# EAGLE board working (EAGLE 9.6.2), part 25 of 28 (continued)
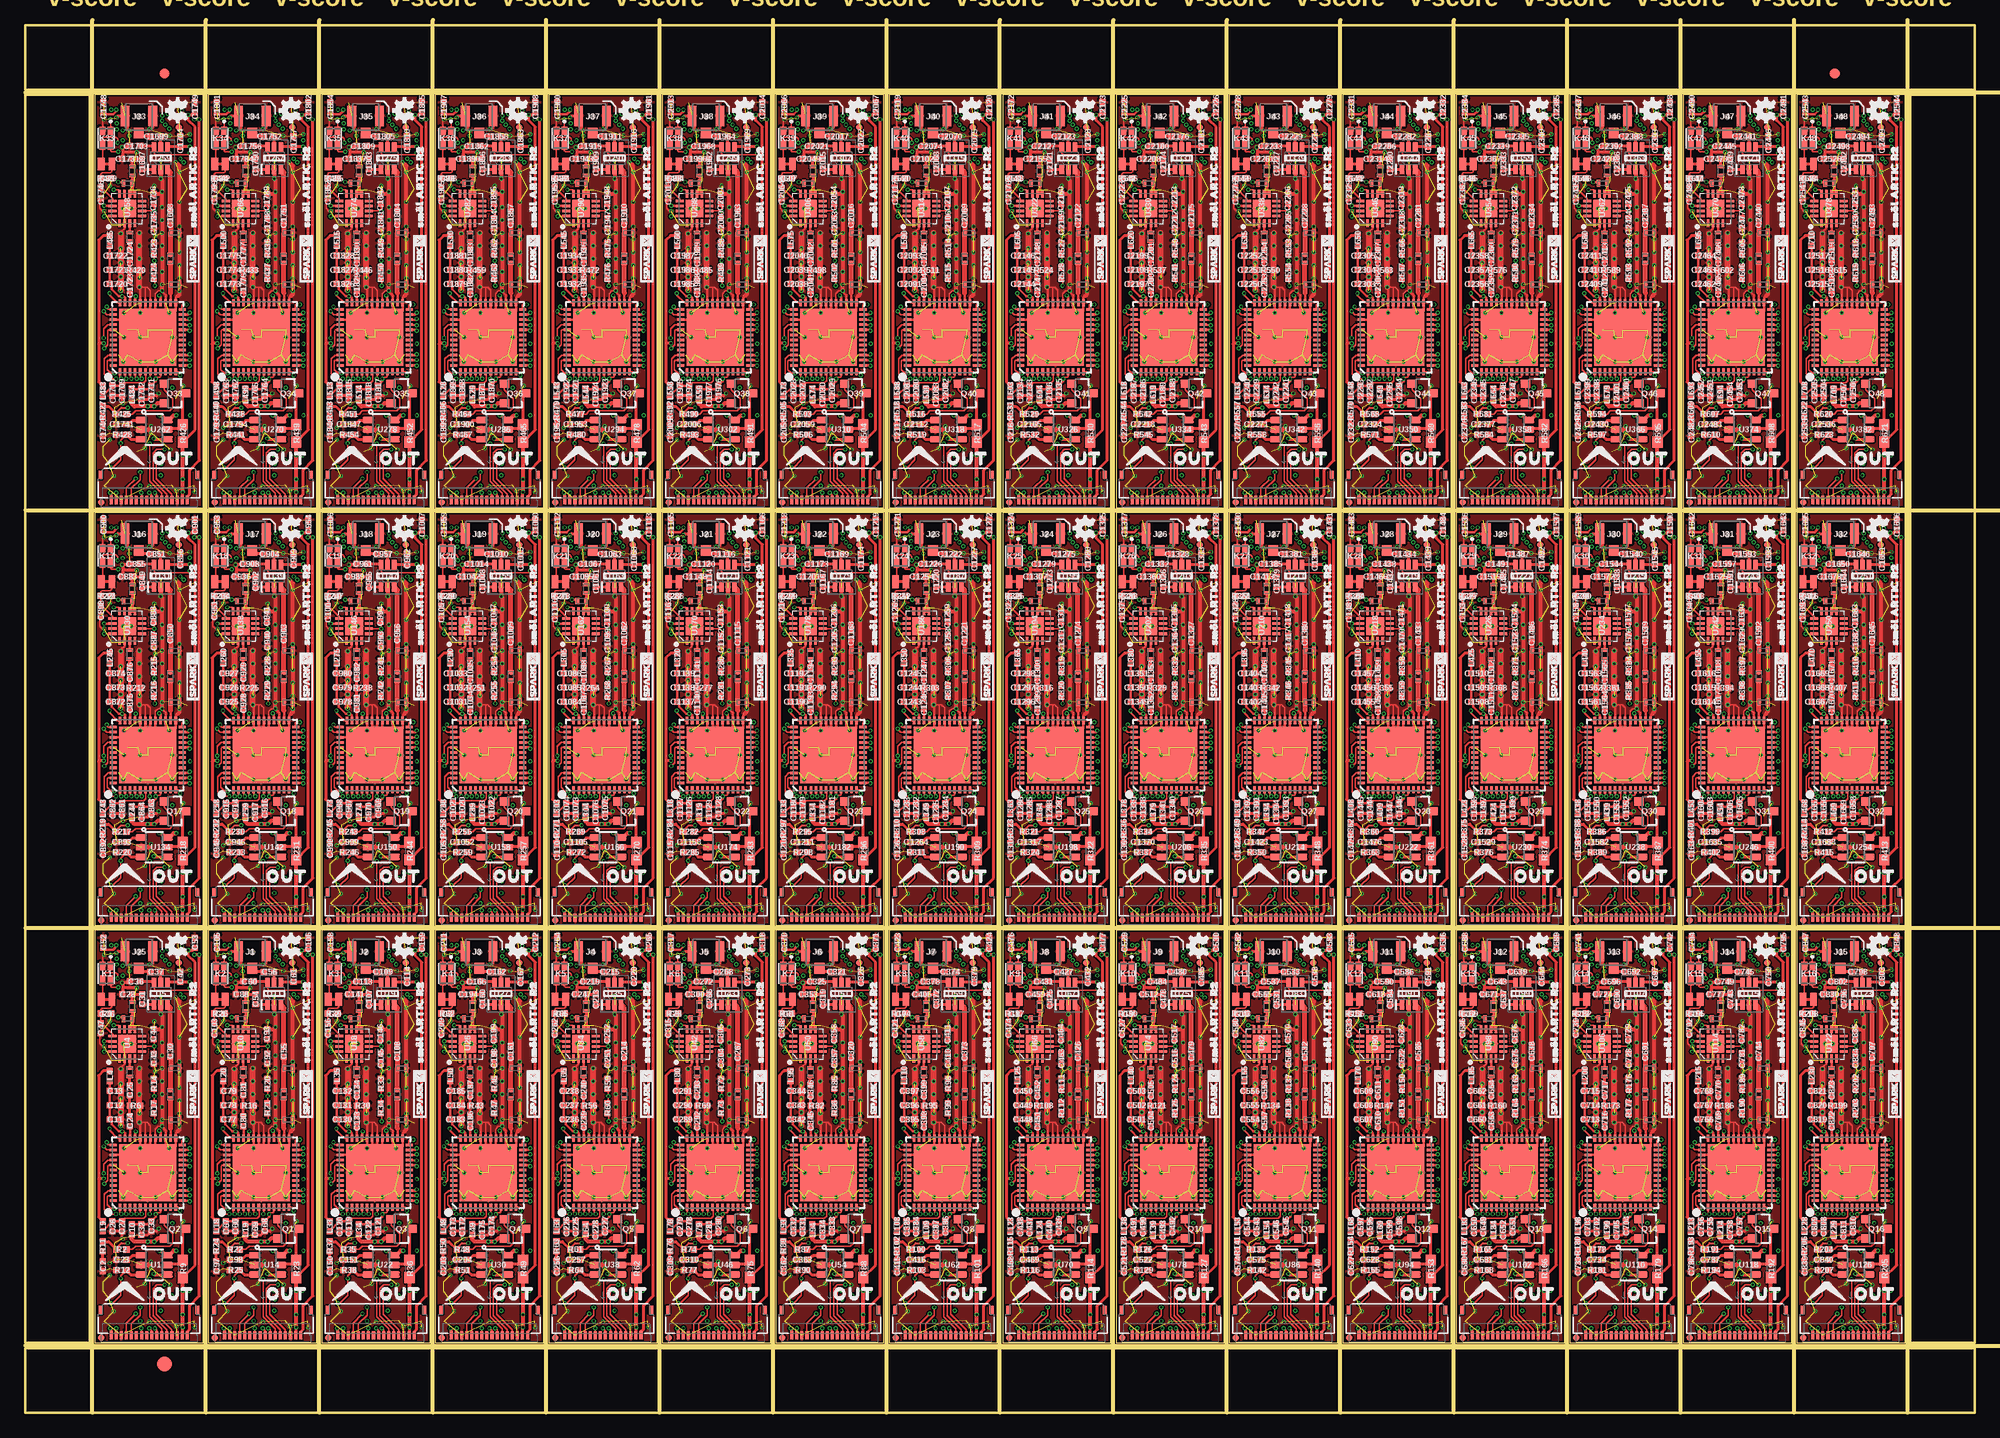
[diagram p0: board, top side]
## Tracks (layer width: path | path; a pad name or v marks a point on that pad's centre or on a via) (continued)
  Bottom 0.152: IN18.13 32.29,86.78 v31.37,85.85 | v33.21,50.86 33.2,50.86 U152.6
SCL19  (via drill 0.2)
  Top 0.152: OUT19.13 43.47,49.95 v44.39,50.86
  Route15 0.127: v42.54,85.85 41.57,85.85 41.12,85.41 41.12,78.43 41.67,77.89 41.67,76.55 41.12,76 41.12,68.82 42.1,67.84 42.1,63.22 41.06,62.18 41.06,51.27 41.59,50.74 44.26,50.74 v44.39,50.86
  Bottom 0.152: IN19.13 43.47,86.78 v42.54,85.85 | v44.39,50.86 44.38,50.86 U160.6
SCL20  (via drill 0.2)
  Top 0.152: OUT20.13 54.65,49.95 v55.56,50.86
  Route15 0.127: v53.72,85.85 52.74,85.85 52.3,85.41 52.3,78.43 52.84,77.89 52.84,76.55 52.3,76 52.3,68.82 53.27,67.84 53.27,63.22 52.23,62.18 52.23,51.27 52.77,50.74 55.44,50.74 v55.56,50.86
  Bottom 0.152: IN20.13 54.65,86.78 v53.72,85.85 | v55.56,50.86 55.55,50.86 U168.6
SCL21  (via drill 0.2)
  Top 0.152: OUT21.13 65.82,49.95 v66.74,50.86
  Route15 0.127: v64.9,85.85 63.92,85.85 63.47,85.41 63.47,78.43 64.02,77.89 64.02,76.55 63.47,76 63.47,68.82 64.45,67.84 64.45,63.22 63.41,62.18 63.41,51.27 63.95,50.74 66.61,50.74 v66.74,50.86
  Bottom 0.152: IN21.13 65.82,86.78 v64.9,85.85 | v66.74,50.86 66.73,50.86 U176.6
SCL22  (via drill 0.2)
  Top 0.152: OUT22.13 77,49.95 v77.91,50.86
  Route15 0.127: v76.07,85.85 75.09,85.85 74.65,85.41 74.65,78.43 75.2,77.89 75.2,76.55 74.65,76 74.65,68.82 75.63,67.84 75.63,63.22 74.59,62.18 74.59,51.27 75.12,50.74 77.79,50.74 v77.91,50.86
  Bottom 0.152: IN22.13 77,86.78 v76.07,85.85 | v77.91,50.86 77.91,50.86 U184.6
SCL23  (via drill 0.2)
  Top 0.152: OUT23.13 88.17,49.95 v89.09,50.86
  Route15 0.127: v87.25,85.85 86.27,85.85 85.83,85.41 85.83,78.43 86.37,77.89 86.37,76.55 85.83,76 85.83,68.82 86.8,67.84 86.8,63.22 85.76,62.18 85.76,51.27 86.3,50.74 88.96,50.74 v89.09,50.86
  Bottom 0.152: IN23.13 88.17,86.78 v87.25,85.85 | v89.09,50.86 89.08,50.86 U192.6
SCL24  (via drill 0.2)
  Top 0.152: OUT24.13 99.35,49.95 v100.27,50.86
  Route15 0.127: v98.42,85.85 97.45,85.85 97,85.41 97,78.43 97.55,77.89 97.55,76.55 97,76 97,68.82 97.98,67.84 97.98,63.22 96.94,62.18 96.94,51.27 97.47,50.74 100.14,50.74 v100.27,50.86
  Bottom 0.152: IN24.13 99.35,86.78 v98.42,85.85 | v100.27,50.86 100.26,50.86 U200.6
SCL25  (via drill 0.2)
  Top 0.152: OUT25.13 110.53,49.95 v111.44,50.86
  Route15 0.127: v109.6,85.85 108.62,85.85 108.18,85.41 108.18,78.43 108.72,77.89 108.72,76.55 108.18,76 108.18,68.82 109.16,67.84 109.16,63.22 108.12,62.18 108.12,51.27 108.65,50.74 111.31,50.74 v111.44,50.86
  Bottom 0.152: IN25.13 110.53,86.78 v109.6,85.85 | v111.44,50.86 111.44,50.86 U208.6
SCL26  (via drill 0.2)
  Top 0.152: OUT26.13 121.7,49.95 v122.62,50.86
  Route15 0.127: v120.78,85.85 119.8,85.85 119.36,85.41 119.36,78.43 119.9,77.89 119.9,76.55 119.36,76 119.36,68.82 120.33,67.84 120.33,63.22 119.29,62.18 119.29,51.27 119.82,50.74 122.49,50.74 v122.62,50.86
  Bottom 0.152: IN26.13 121.7,86.78 v120.78,85.85 | v122.62,50.86 122.61,50.86 U216.6
SCL27  (via drill 0.2)
  Top 0.152: OUT27.13 132.88,49.95 v133.79,50.86
  Route15 0.127: v131.95,85.85 130.97,85.85 130.53,85.41 130.53,78.43 131.07,77.89 131.07,76.55 130.53,76 130.53,68.82 131.51,67.84 131.51,63.22 130.47,62.18 130.47,51.27 131,50.74 133.67,50.74 v133.79,50.86
  Bottom 0.152: IN27.13 132.88,86.78 v131.95,85.85 | v133.79,50.86 133.79,50.86 U224.6
SCL28  (via drill 0.2)
  Top 0.152: OUT28.13 144.05,49.95 v144.97,50.86
  Route15 0.127: v143.13,85.85 142.15,85.85 141.71,85.41 141.71,78.43 142.25,77.89 142.25,76.55 141.71,76 141.71,68.82 142.68,67.84 142.68,63.22 141.64,62.18 141.64,51.27 142.18,50.74 144.84,50.74 v144.97,50.86
  Bottom 0.152: IN28.13 144.05,86.78 v143.13,85.85 | v144.97,50.86 144.96,50.86 U232.6
SCL29  (via drill 0.2)
  Top 0.152: OUT29.13 155.23,49.95 v156.15,50.86
  Route15 0.127: v154.31,85.85 153.33,85.85 152.88,85.41 152.88,78.43 153.43,77.89 153.43,76.55 152.88,76 152.88,68.82 153.86,67.84 153.86,63.22 152.82,62.18 152.82,51.27 153.35,50.74 156.02,50.74 v156.15,50.86
  Bottom 0.152: IN29.13 155.23,86.78 v154.31,85.85 | v156.15,50.86 156.14,50.86 U240.6
SCL30  (via drill 0.2)
  Top 0.152: OUT30.13 166.41,49.95 v167.32,50.86
  Route15 0.127: v165.48,85.85 164.5,85.85 164.06,85.41 164.06,78.43 164.6,77.89 164.6,76.55 164.06,76 164.06,68.82 165.03,67.84 165.03,63.22 164,62.18 164,51.27 164.53,50.74 167.2,50.74 v167.32,50.86
  Bottom 0.152: IN30.13 166.41,86.78 v165.48,85.85 | v167.32,50.86 167.31,50.86 U248.6
SCL31  (via drill 0.2)
  Top 0.152: OUT31.13 177.58,49.95 v178.5,50.86
  Route15 0.127: v176.66,85.85 175.68,85.85 175.24,85.41 175.24,78.43 175.78,77.89 175.78,76.55 175.24,76 175.24,68.82 176.21,67.84 176.21,63.22 175.17,62.18 175.17,51.27 175.7,50.74 178.37,50.74 v178.5,50.86
  Bottom 0.152: IN31.13 177.58,86.78 v176.66,85.85 | v178.5,50.86 178.49,50.86 U256.6
SCL32  (via drill 0.2)
  Top 0.152: OUT32.13 9.94,91.09 v10.86,92.01
  Route15 0.127: v9.02,127 8.04,127 7.59,126.56 7.59,119.58 8.14,119.03 8.14,117.69 7.59,117.15 7.59,109.97 8.57,108.99 8.57,104.37 7.53,103.33 7.53,92.42 8.06,91.88 10.73,91.88 v10.86,92.01
  Bottom 0.152: IN32.13 9.94,127.92 v9.02,127 | v10.86,92.01 v10.85,92 U264.6
SCL33  (via drill 0.2)
  Top 0.152: OUT33.13 21.12,91.09 v22.04,92.01
  Route15 0.127: v20.19,127 19.21,127 18.77,126.56 18.77,119.58 19.32,119.03 19.32,117.69 18.77,117.15 18.77,109.97 19.75,108.99 19.75,104.37 18.71,103.33 18.71,92.42 19.24,91.88 21.91,91.88 v22.04,92.01
  Bottom 0.152: IN33.13 21.12,127.92 v20.19,127 | v22.04,92.01 v22.03,92 U272.6
SCL34  (via drill 0.2)
  Top 0.152: OUT34.13 32.29,91.09 v33.21,92.01
  Route15 0.127: v31.37,127 30.39,127 29.95,126.56 29.95,119.58 30.49,119.03 30.49,117.69 29.95,117.15 29.95,109.97 30.92,108.99 30.92,104.37 29.88,103.33 29.88,92.42 30.42,91.88 33.08,91.88 v33.21,92.01
  Bottom 0.152: IN34.13 32.29,127.92 v31.37,127 | v33.21,92.01 v33.2,92 U280.6
SCL35  (via drill 0.2)
  Top 0.152: OUT35.13 43.47,91.09 v44.39,92.01
  Route15 0.127: v42.54,127 41.57,127 41.12,126.56 41.12,119.58 41.67,119.03 41.67,117.69 41.12,117.15 41.12,109.97 42.1,108.99 42.1,104.37 41.06,103.33 41.06,92.42 41.59,91.88 44.26,91.88 v44.39,92.01
  Bottom 0.152: IN35.13 43.47,127.92 v42.54,127 | v44.39,92.01 v44.38,92 U288.6
SCL36  (via drill 0.2)
  Top 0.152: OUT36.13 54.65,91.09 v55.56,92.01
  Route15 0.127: v53.72,127 52.74,127 52.3,126.56 52.3,119.58 52.84,119.03 52.84,117.69 52.3,117.15 52.3,109.97 53.27,108.99 53.27,104.37 52.23,103.33 52.23,92.42 52.77,91.88 55.44,91.88 v55.56,92.01
  Bottom 0.152: IN36.13 54.65,127.92 v53.72,127 | v55.56,92.01 v55.55,92 U296.6
SCL37  (via drill 0.2)
  Top 0.152: OUT37.13 65.82,91.09 v66.74,92.01
  Route15 0.127: v64.9,127 63.92,127 63.47,126.56 63.47,119.58 64.02,119.03 64.02,117.69 63.47,117.15 63.47,109.97 64.45,108.99 64.45,104.37 63.41,103.33 63.41,92.42 63.95,91.88 66.61,91.88 v66.74,92.01
  Bottom 0.152: IN37.13 65.82,127.92 v64.9,127 | v66.74,92.01 v66.73,92 U304.6
SCL38  (via drill 0.2)
  Top 0.152: OUT38.13 77,91.09 v77.91,92.01
  Route15 0.127: v76.07,127 75.09,127 74.65,126.56 74.65,119.58 75.2,119.03 75.2,117.69 74.65,117.15 74.65,109.97 75.63,108.99 75.63,104.37 74.59,103.33 74.59,92.42 75.12,91.88 77.79,91.88 v77.91,92.01
  Bottom 0.152: IN38.13 77,127.92 v76.07,127 | v77.91,92.01 v77.91,92 U312.6
SCL39  (via drill 0.2)
  Top 0.152: OUT39.13 88.17,91.09 v89.09,92.01
  Route15 0.127: v87.25,127 86.27,127 85.83,126.56 85.83,119.58 86.37,119.03 86.37,117.69 85.83,117.15 85.83,109.97 86.8,108.99 86.8,104.37 85.76,103.33 85.76,92.42 86.3,91.88 88.96,91.88 v89.09,92.01
  Bottom 0.152: IN39.13 88.17,127.92 v87.25,127 | v89.09,92.01 v89.08,92 U320.6
SCL40  (via drill 0.2)
  Top 0.152: OUT40.13 99.35,91.09 v100.27,92.01
  Route15 0.127: v98.42,127 97.45,127 97,126.56 97,119.58 97.55,119.03 97.55,117.69 97,117.15 97,109.97 97.98,108.99 97.98,104.37 96.94,103.33 96.94,92.42 97.47,91.88 100.14,91.88 v100.27,92.01
  Bottom 0.152: IN40.13 99.35,127.92 v98.42,127 | v100.27,92.01 v100.26,92 U328.6
SCL41  (via drill 0.2)
  Top 0.152: OUT41.13 110.53,91.09 v111.44,92.01
  Route15 0.127: v109.6,127 108.62,127 108.18,126.56 108.18,119.58 108.72,119.03 108.72,117.69 108.18,117.15 108.18,109.97 109.16,108.99 109.16,104.37 108.12,103.33 108.12,92.42 108.65,91.88 111.31,91.88 v111.44,92.01
  Bottom 0.152: IN41.13 110.53,127.92 v109.6,127 | v111.44,92.01 v111.44,92 U336.6
SCL42  (via drill 0.2)
  Top 0.152: OUT42.13 121.7,91.09 v122.62,92.01
  Route15 0.127: v120.78,127 119.8,127 119.36,126.56 119.36,119.58 119.9,119.03 119.9,117.69 119.36,117.15 119.36,109.97 120.33,108.99 120.33,104.37 119.29,103.33 119.29,92.42 119.82,91.88 122.49,91.88 v122.62,92.01
  Bottom 0.152: IN42.13 121.7,127.92 v120.78,127 | v122.62,92.01 v122.61,92 U344.6
SCL43  (via drill 0.2)
  Top 0.152: OUT43.13 132.88,91.09 v133.79,92.01
  Route15 0.127: v131.95,127 130.97,127 130.53,126.56 130.53,119.58 131.07,119.03 131.07,117.69 130.53,117.15 130.53,109.97 131.51,108.99 131.51,104.37 130.47,103.33 130.47,92.42 131,91.88 133.67,91.88 v133.79,92.01
  Bottom 0.152: IN43.13 132.88,127.92 v131.95,127 | v133.79,92.01 v133.79,92 U352.6
SCL44  (via drill 0.2)
  Top 0.152: OUT44.13 144.05,91.09 v144.97,92.01
  Route15 0.127: v143.13,127 142.15,127 141.71,126.56 141.71,119.58 142.25,119.03 142.25,117.69 141.71,117.15 141.71,109.97 142.68,108.99 142.68,104.37 141.64,103.33 141.64,92.42 142.18,91.88 144.84,91.88 v144.97,92.01
  Bottom 0.152: IN44.13 144.05,127.92 v143.13,127 | v144.97,92.01 v144.96,92 U360.6
SCL45  (via drill 0.2)
  Top 0.152: OUT45.13 155.23,91.09 v156.15,92.01
  Route15 0.127: v154.31,127 153.33,127 152.88,126.56 152.88,119.58 153.43,119.03 153.43,117.69 152.88,117.15 152.88,109.97 153.86,108.99 153.86,104.37 152.82,103.33 152.82,92.42 153.35,91.88 156.02,91.88 v156.15,92.01
  Bottom 0.152: IN45.13 155.23,127.92 v154.31,127 | v156.15,92.01 v156.14,92 U368.6
SCL46  (via drill 0.2)
  Top 0.152: OUT46.13 166.41,91.09 v167.32,92.01
  Route15 0.127: v165.48,127 164.5,127 164.06,126.56 164.06,119.58 164.6,119.03 164.6,117.69 164.06,117.15 164.06,109.97 165.03,108.99 165.03,104.37 164,103.33 164,92.42 164.53,91.88 167.2,91.88 v167.32,92.01
  Bottom 0.152: IN46.13 166.41,127.92 v165.48,127 | v167.32,92.01 v167.31,92 U376.6
SCL47  (via drill 0.2)
  Top 0.152: OUT47.13 177.58,91.09 v178.5,92.01
  Route15 0.127: v176.66,127 175.68,127 175.24,126.56 175.24,119.58 175.78,119.03 175.78,117.69 175.24,117.15 175.24,109.97 176.21,108.99 176.21,104.37 175.17,103.33 175.17,92.42 175.7,91.88 178.37,91.88 v178.5,92.01
  Bottom 0.152: IN47.13 177.58,127.92 v176.66,127 | v178.5,92.01 v178.49,92 U384.6
SCLK  (via drill 0.2)
  Top 0.152: U3.3 10.34,20.2 10.34,19.67 v10.45,19.56 | OUT.4 14.44,8.16 12.91,9.69 12.91,11.9 13.04,12.02 v13.29,12.02
  Route15 0.127: v14.48,45.97 14.26,46.19 13.02,46.19 11.38,44.55 11.38,36.4 11.38,36.24 10.82,35.69 9.69,35.69 9.52,35.52 9.52,34.61 9.21,34.29 8.97,34.05 8.97,29.47 9.24,29.2 9.4,29.2 10.36,28.23 10.36,20.22 10.45,20.13 v10.45,19.56
  Route15 0.152: v10.45,19.56 10.45,18.69 10.93,18.21 10.93,12.37 11.28,12.02 v13.29,12.02
  Bottom 0.152: IN.4 14.48,46.72 v14.48,45.97
SCLK1  (via drill 0.2)
  Top 0.152: U9.3 21.52,20.2 21.52,19.67 v21.63,19.56 | OUT1.4 25.62,8.16 24.09,9.69 24.09,11.9 24.22,12.02 v24.47,12.02
  Route15 0.127: v25.65,45.97 25.44,46.19 24.19,46.19 22.55,44.55 22.55,36.4 22.55,36.24 22,35.69 20.87,35.69 20.7,35.52 20.7,34.61 20.38,34.29 20.14,34.05 20.14,29.47 20.41,29.2 20.57,29.2 21.54,28.23 21.54,20.22 21.63,20.13 v21.63,19.56
  Route15 0.152: v21.63,19.56 21.63,18.69 22.11,18.21 22.11,12.37 22.46,12.02 v24.47,12.02
  Bottom 0.152: IN1.4 25.65,46.72 v25.65,45.97
SCLK2  (via drill 0.2)
  Top 0.152: U17.3 32.69,20.2 32.69,19.67 v32.8,19.56 | OUT2.4 36.79,8.16 35.27,9.69 35.27,11.9 35.39,12.02 v35.65,12.02
  Route15 0.127: v36.83,45.97 36.61,46.19 35.37,46.19 33.73,44.55 33.73,36.4 33.73,36.24 33.17,35.69 32.05,35.69 31.88,35.52 31.88,34.61 31.56,34.29 31.32,34.05 31.32,29.47 31.59,29.2 31.75,29.2 32.71,28.23 32.71,20.22 32.8,20.13 v32.8,19.56
  Route15 0.152: v32.8,19.56 32.8,18.69 33.28,18.21 33.28,12.37 33.63,12.02 v35.65,12.02
  Bottom 0.152: IN2.4 36.83,46.72 v36.83,45.97
SCLK3  (via drill 0.2)
  Top 0.152: U25.3 43.87,20.2 43.87,19.67 v43.98,19.56 | OUT3.4 47.97,8.16 46.44,9.69 46.44,11.9 46.57,12.02 v46.82,12.02
  Route15 0.127: v48.01,45.97 47.79,46.19 46.55,46.19 44.91,44.55 44.91,36.4 44.91,36.24 44.35,35.69 43.22,35.69 43.05,35.52 43.05,34.61 42.73,34.29 42.49,34.05 42.49,29.47 42.76,29.2 42.93,29.2 43.89,28.23 43.89,20.22 43.98,20.13 v43.98,19.56
  Route15 0.152: v43.98,19.56 43.98,18.69 44.46,18.21 44.46,12.37 44.81,12.02 v46.82,12.02
  Bottom 0.152: IN3.4 48.01,46.72 v48.01,45.97
SCLK4  (via drill 0.2)
  Top 0.152: U33.3 55.04,20.2 55.04,19.67 v55.16,19.56 | OUT4.4 59.15,8.16 57.62,9.69 57.62,11.9 57.74,12.02 v58,12.02
  Route15 0.127: v59.18,45.97 58.97,46.19 57.72,46.19 56.08,44.55 56.08,36.4 56.08,36.24 55.53,35.69 54.4,35.69 54.23,35.52 54.23,34.61 53.91,34.29 53.67,34.05 53.67,29.47 53.94,29.2 54.1,29.2 55.07,28.23 55.07,20.22 55.16,20.13 v55.16,19.56
  Route15 0.152: v55.16,19.56 55.16,18.69 55.64,18.21 55.64,12.37 55.98,12.02 v58,12.02
  Bottom 0.152: IN4.4 59.18,46.72 v59.18,45.97
SCLK5  (via drill 0.2)
  Top 0.152: U41.3 66.22,20.2 66.22,19.67 v66.33,19.56 | OUT5.4 70.32,8.16 68.79,9.69 68.79,11.9 68.92,12.02 v69.17,12.02
  Route15 0.127: v70.36,45.97 70.14,46.19 68.9,46.19 67.26,44.55 67.26,36.4 67.26,36.24 66.7,35.69 65.57,35.69 65.41,35.52 65.41,34.61 65.08,34.29 64.85,34.05 64.85,29.47 65.12,29.2 65.28,29.2 66.24,28.23 66.24,20.22 66.33,20.13 v66.33,19.56
  Route15 0.152: v66.33,19.56 66.33,18.69 66.81,18.21 66.81,12.37 67.16,12.02 v69.17,12.02
  Bottom 0.152: IN5.4 70.36,46.72 v70.36,45.97
SCLK6  (via drill 0.2)
  Top 0.152: U49.3 77.4,20.2 77.4,19.67 v77.51,19.56 | OUT6.4 81.5,8.16 79.97,9.69 79.97,11.9 80.1,12.02 v80.35,12.02
  Route15 0.127: v81.53,45.97 81.32,46.19 80.07,46.19 78.43,44.55 78.43,36.4 78.43,36.24 77.88,35.69 76.75,35.69 76.58,35.52 76.58,34.61 76.26,34.29 76.02,34.05 76.02,29.47 76.29,29.2 76.45,29.2 77.42,28.23 77.42,20.22 77.51,20.13 v77.51,19.56
  Route15 0.152: v77.51,19.56 77.51,18.69 77.99,18.21 77.99,12.37 78.34,12.02 v80.35,12.02
  Bottom 0.152: IN6.4 81.53,46.72 v81.53,45.97
SCLK7  (via drill 0.2)
  Top 0.152: U57.3 88.57,20.2 88.57,19.67 v88.68,19.56 | OUT7.4 92.67,8.16 91.15,9.69 91.15,11.9 91.27,12.02 v91.53,12.02
  Route15 0.127: v92.71,45.97 92.49,46.19 91.25,46.19 89.61,44.55 89.61,36.4 89.61,36.24 89.06,35.69 87.93,35.69 87.76,35.52 87.76,34.61 87.44,34.29 87.2,34.05 87.2,29.47 87.47,29.2 87.63,29.2 88.59,28.23 88.59,20.22 88.68,20.13 v88.68,19.56
  Route15 0.152: v88.68,19.56 88.68,18.69 89.17,18.21 89.17,12.37 89.51,12.02 v91.53,12.02
  Bottom 0.152: IN7.4 92.71,46.72 v92.71,45.97
SCLK8  (via drill 0.2)
  Top 0.152: U65.3 99.75,20.2 99.75,19.67 v99.86,19.56 | OUT8.4 103.85,8.16 102.32,9.69 102.32,11.9 102.45,12.02 v102.7,12.02
  Route15 0.127: v103.89,45.97 103.67,46.19 102.42,46.19 100.79,44.55 100.79,36.4 100.79,36.24 100.23,35.69 99.1,35.69 98.93,35.52 98.93,34.61 98.61,34.29 98.37,34.05 98.37,29.47 98.64,29.2 98.81,29.2 99.77,28.23 99.77,20.22 99.86,20.13 v99.86,19.56
  Route15 0.152: v99.86,19.56 99.86,18.69 100.34,18.21 100.34,12.37 100.69,12.02 v102.7,12.02
  Bottom 0.152: IN8.4 103.89,46.72 v103.89,45.97
SCLK9  (via drill 0.2)
  Top 0.152: U73.3 110.92,20.2 110.92,19.67 v111.04,19.56 | OUT9.4 115.03,8.16 113.5,9.69 113.5,11.9 113.62,12.02 v113.88,12.02
  Route15 0.127: v115.06,45.97 114.85,46.19 113.6,46.19 111.96,44.55 111.96,36.4 111.96,36.24 111.41,35.69 110.28,35.69 110.11,35.52 110.11,34.61 109.79,34.29 109.55,34.05 109.55,29.47 109.82,29.2 109.98,29.2 110.95,28.23 110.95,20.22 111.04,20.13 v111.04,19.56
  Route15 0.152: v111.04,19.56 111.04,18.69 111.52,18.21 111.52,12.37 111.86,12.02 v113.88,12.02
  Bottom 0.152: IN9.4 115.06,46.72 v115.06,45.97
SCLK10  (via drill 0.2)
  Top 0.152: U81.3 122.1,20.2 122.1,19.67 v122.21,19.56 | OUT10.4 126.2,8.16 124.67,9.69 124.67,11.9 124.8,12.02 v125.06,12.02
  Route15 0.127: v126.24,45.97 126.02,46.19 124.78,46.19 123.14,44.55 123.14,36.4 123.14,36.24 122.58,35.69 121.45,35.69 121.29,35.52 121.29,34.61 120.97,34.29 120.73,34.05 120.73,29.47 121,29.2 121.16,29.2 122.12,28.23 122.12,20.22 122.21,20.13 v122.21,19.56
  Route15 0.152: v122.21,19.56 122.21,18.69 122.69,18.21 122.69,12.37 123.04,12.02 v125.06,12.02
  Bottom 0.152: IN10.4 126.24,46.72 v126.24,45.97
SCLK11  (via drill 0.2)
  Top 0.152: U89.3 133.28,20.2 133.28,19.67 v133.39,19.56 | OUT11.4 137.38,8.16 135.85,9.69 135.85,11.9 135.98,12.02 v136.23,12.02
  Route15 0.127: v137.41,45.97 137.2,46.19 135.95,46.19 134.31,44.55 134.31,36.4 134.31,36.24 133.76,35.69 132.63,35.69 132.46,35.52 132.46,34.61 132.14,34.29 131.9,34.05 131.9,29.47 132.17,29.2 132.33,29.2 133.3,28.23 133.3,20.22 133.39,20.13 v133.39,19.56
  Route15 0.152: v133.39,19.56 133.39,18.69 133.87,18.21 133.87,12.37 134.22,12.02 v136.23,12.02
  Bottom 0.152: IN11.4 137.41,46.72 v137.41,45.97
SCLK12  (via drill 0.2)
  Top 0.152: U97.3 144.45,20.2 144.45,19.67 v144.56,19.56 | OUT12.4 148.55,8.16 147.03,9.69 147.03,11.9 147.15,12.02 v147.41,12.02
  Route15 0.127: v148.59,45.97 148.37,46.19 147.13,46.19 145.49,44.55 145.49,36.4 145.49,36.24 144.94,35.69 143.81,35.69 143.64,35.52 143.64,34.61 143.32,34.29 143.08,34.05 143.08,29.47 143.35,29.2 143.51,29.2 144.47,28.23 144.47,20.22 144.56,20.13 v144.56,19.56
  Route15 0.152: v144.56,19.56 144.56,18.69 145.05,18.21 145.05,12.37 145.39,12.02 v147.41,12.02
  Bottom 0.152: IN12.4 148.59,46.72 v148.59,45.97
SCLK13  (via drill 0.2)
  Top 0.152: U105.3 155.63,20.2 155.63,19.67 v155.74,19.56 | OUT13.4 159.73,8.16 158.2,9.69 158.2,11.9 158.33,12.02 v158.58,12.02
  Route15 0.127: v159.77,45.97 159.55,46.19 158.31,46.19 156.67,44.55 156.67,36.4 156.67,36.24 156.11,35.69 154.98,35.69 154.81,35.52 154.81,34.61 154.49,34.29 154.25,34.05 154.25,29.47 154.52,29.2 154.69,29.2 155.65,28.23 155.65,20.22 155.74,20.13 v155.74,19.56
  Route15 0.152: v155.74,19.56 155.74,18.69 156.22,18.21 156.22,12.37 156.57,12.02 v158.58,12.02
  Bottom 0.152: IN13.4 159.77,46.72 v159.77,45.97
SCLK14  (via drill 0.2)
  Top 0.152: U113.3 166.8,20.2 166.8,19.67 v166.92,19.56 | OUT14.4 170.91,8.16 169.38,9.69 169.38,11.9 169.5,12.02 v169.76,12.02
  Route15 0.127: v170.94,45.97 170.73,46.19 169.48,46.19 167.84,44.55 167.84,36.4 167.84,36.24 167.29,35.69 166.16,35.69 165.99,35.52 165.99,34.61 165.67,34.29 165.43,34.05 165.43,29.47 165.7,29.2 165.86,29.2 166.83,28.23 166.83,20.22 166.92,20.13 v166.92,19.56
  Route15 0.152: v166.92,19.56 166.92,18.69 167.4,18.21 167.4,12.37 167.74,12.02 v169.76,12.02
  Bottom 0.152: IN14.4 170.94,46.72 v170.94,45.97
SCLK15  (via drill 0.2)
  Top 0.152: U121.3 177.98,20.2 177.98,19.67 v178.09,19.56 | OUT15.4 182.08,8.16 180.55,9.69 180.55,11.9 180.68,12.02 v180.94,12.02
  Route15 0.127: v182.12,45.97 181.9,46.19 180.66,46.19 179.02,44.55 179.02,36.4 179.02,36.24 178.46,35.69 177.33,35.69 177.16,35.52 177.16,34.61 176.84,34.29 176.61,34.05 176.61,29.47 176.88,29.2 177.04,29.2 178,28.23 178,20.22 178.09,20.13 v178.09,19.56
  Route15 0.152: v178.09,19.56 178.09,18.69 178.57,18.21 178.57,12.37 178.92,12.02 v180.94,12.02
  Bottom 0.152: IN15.4 182.12,46.72 v182.12,45.97
SCLK16  (via drill 0.2)
  Top 0.152: U129.3 10.34,61.34 10.34,60.82 v10.45,60.71 | OUT16.4 14.44,49.31 12.91,50.84 12.91,53.05 13.04,53.17 v13.29,53.17
  Route15 0.127: v14.48,87.12 14.26,87.34 13.02,87.34 11.38,85.7 11.38,77.55 11.38,77.39 10.82,76.84 9.69,76.84 9.52,76.67 9.52,75.76 9.21,75.44 8.97,75.2 8.97,70.62 9.24,70.35 9.4,70.35 10.36,69.38 10.36,61.37 10.45,61.28 v10.45,60.71
  Route15 0.152: v10.45,60.71 10.45,59.84 10.93,59.36 10.93,53.52 11.28,53.17 v13.29,53.17
  Bottom 0.152: IN16.4 14.48,87.87 v14.48,87.12
SCLK17  (via drill 0.2)
  Top 0.152: U137.3 21.52,61.34 21.52,60.82 v21.63,60.71 | OUT17.4 25.62,49.31 24.09,50.84 24.09,53.05 24.22,53.17 v24.47,53.17
  Route15 0.127: v25.65,87.12 25.44,87.34 24.19,87.34 22.55,85.7 22.55,77.55 22.55,77.39 22,76.84 20.87,76.84 20.7,76.67 20.7,75.76 20.38,75.44 20.14,75.2 20.14,70.62 20.41,70.35 20.57,70.35 21.54,69.38 21.54,61.37 21.63,61.28 v21.63,60.71
  Route15 0.152: v21.63,60.71 21.63,59.84 22.11,59.36 22.11,53.52 22.46,53.17 v24.47,53.17
  Bottom 0.152: IN17.4 25.65,87.87 v25.65,87.12
SCLK18  (via drill 0.2)
  Top 0.152: U145.3 32.69,61.34 32.69,60.82 v32.8,60.71 | OUT18.4 36.79,49.31 35.27,50.84 35.27,53.05 35.39,53.17 v35.65,53.17
  Route15 0.127: v36.83,87.12 36.61,87.34 35.37,87.34 33.73,85.7 33.73,77.55 33.73,77.39 33.17,76.84 32.05,76.84 31.88,76.67 31.88,75.76 31.56,75.44 31.32,75.2 31.32,70.62 31.59,70.35 31.75,70.35 32.71,69.38 32.71,61.37 32.8,61.28 v32.8,60.71
  Route15 0.152: v32.8,60.71 32.8,59.84 33.28,59.36 33.28,53.52 33.63,53.17 v35.65,53.17
  Bottom 0.152: IN18.4 36.83,87.87 v36.83,87.12
SCLK19  (via drill 0.2)
  Top 0.152: U153.3 43.87,61.34 43.87,60.82 v43.98,60.71 | OUT19.4 47.97,49.31 46.44,50.84 46.44,53.05 46.57,53.17 v46.82,53.17
  Route15 0.127: v48.01,87.12 47.79,87.34 46.55,87.34 44.91,85.7 44.91,77.55 44.91,77.39 44.35,76.84 43.22,76.84 43.05,76.67 43.05,75.76 42.73,75.44 42.49,75.2 42.49,70.62 42.76,70.35 42.93,70.35 43.89,69.38 43.89,61.37 43.98,61.28 v43.98,60.71
  Route15 0.152: v43.98,60.71 43.98,59.84 44.46,59.36 44.46,53.52 44.81,53.17 v46.82,53.17
  Bottom 0.152: IN19.4 48.01,87.87 v48.01,87.12
SCLK20  (via drill 0.2)
  Top 0.152: U161.3 55.04,61.34 55.04,60.82 v55.16,60.71 | OUT20.4 59.15,49.31 57.62,50.84 57.62,53.05 57.74,53.17 v58,53.17
  Route15 0.127: v59.18,87.12 58.97,87.34 57.72,87.34 56.08,85.7 56.08,77.55 56.08,77.39 55.53,76.84 54.4,76.84 54.23,76.67 54.23,75.76 53.91,75.44 53.67,75.2 53.67,70.62 53.94,70.35 54.1,70.35 55.07,69.38 55.07,61.37 55.16,61.28 v55.16,60.71
  Route15 0.152: v55.16,60.71 55.16,59.84 55.64,59.36 55.64,53.52 55.98,53.17 v58,53.17
  Bottom 0.152: IN20.4 59.18,87.87 v59.18,87.12
SCLK21  (via drill 0.2)
  Top 0.152: U169.3 66.22,61.34 66.22,60.82 v66.33,60.71 | OUT21.4 70.32,49.31 68.79,50.84 68.79,53.05 68.92,53.17 v69.17,53.17
  Route15 0.127: v70.36,87.12 70.14,87.34 68.9,87.34 67.26,85.7 67.26,77.55 67.26,77.39 66.7,76.84 65.57,76.84 65.41,76.67 65.41,75.76 65.08,75.44 64.85,75.2 64.85,70.62 65.12,70.35 65.28,70.35 66.24,69.38 66.24,61.37 66.33,61.28 v66.33,60.71
  Route15 0.152: v66.33,60.71 66.33,59.84 66.81,59.36 66.81,53.52 67.16,53.17 v69.17,53.17
  Bottom 0.152: IN21.4 70.36,87.87 v70.36,87.12
SCLK22  (via drill 0.2)
  Top 0.152: U177.3 77.4,61.34 77.4,60.82 v77.51,60.71 | OUT22.4 81.5,49.31 79.97,50.84 79.97,53.05 80.1,53.17 v80.35,53.17
  Route15 0.127: v81.53,87.12 81.32,87.34 80.07,87.34 78.43,85.7 78.43,77.55 78.43,77.39 77.88,76.84 76.75,76.84 76.58,76.67 76.58,75.76 76.26,75.44 76.02,75.2 76.02,70.62 76.29,70.35 76.45,70.35 77.42,69.38 77.42,61.37 77.51,61.28 v77.51,60.71
  Route15 0.152: v77.51,60.71 77.51,59.84 77.99,59.36 77.99,53.52 78.34,53.17 v80.35,53.17
  Bottom 0.152: IN22.4 81.53,87.87 v81.53,87.12
SCLK23  (via drill 0.2)
  Top 0.152: U185.3 88.57,61.34 88.57,60.82 v88.68,60.71 | OUT23.4 92.67,49.31 91.15,50.84 91.15,53.05 91.27,53.17 v91.53,53.17
  Route15 0.127: v92.71,87.12 92.49,87.34 91.25,87.34 89.61,85.7 89.61,77.55 89.61,77.39 89.06,76.84 87.93,76.84 87.76,76.67 87.76,75.76 87.44,75.44 87.2,75.2 87.2,70.62 87.47,70.35 87.63,70.35 88.59,69.38 88.59,61.37 88.68,61.28 v88.68,60.71
  Route15 0.152: v88.68,60.71 88.68,59.84 89.17,59.36 89.17,53.52 89.51,53.17 v91.53,53.17
  Bottom 0.152: IN23.4 92.71,87.87 v92.71,87.12
SCLK24  (via drill 0.2)
  Top 0.152: U193.3 99.75,61.34 99.75,60.82 v99.86,60.71 | OUT24.4 103.85,49.31 102.32,50.84 102.32,53.05 102.45,53.17 v102.7,53.17
  Route15 0.127: v103.89,87.12 103.67,87.34 102.42,87.34 100.79,85.7 100.79,77.55 100.79,77.39 100.23,76.84 99.1,76.84 98.93,76.67 98.93,75.76 98.61,75.44 98.37,75.2 98.37,70.62 98.64,70.35 98.81,70.35 99.77,69.38 99.77,61.37 99.86,61.28 v99.86,60.71
  Route15 0.152: v99.86,60.71 99.86,59.84 100.34,59.36 100.34,53.52 100.69,53.17 v102.7,53.17
  Bottom 0.152: IN24.4 103.89,87.87 v103.89,87.12
SCLK25  (via drill 0.2)
  Top 0.152: U201.3 110.92,61.34 110.92,60.82 v111.04,60.71 | OUT25.4 115.03,49.31 113.5,50.84 113.5,53.05 113.62,53.17 v113.88,53.17
  Route15 0.127: v115.06,87.12 114.85,87.34 113.6,87.34 111.96,85.7 111.96,77.55 111.96,77.39 111.41,76.84 110.28,76.84 110.11,76.67 110.11,75.76 109.79,75.44 109.55,75.2 109.55,70.62 109.82,70.35 109.98,70.35 110.95,69.38 110.95,61.37 111.04,61.28 v111.04,60.71
  Route15 0.152: v111.04,60.71 111.04,59.84 111.52,59.36 111.52,53.52 111.86,53.17 v113.88,53.17
  Bottom 0.152: IN25.4 115.06,87.87 v115.06,87.12
SCLK26  (via drill 0.2)
  Top 0.152: U209.3 122.1,61.34 122.1,60.82 v122.21,60.71 | OUT26.4 126.2,49.31 124.67,50.84 124.67,53.05 124.8,53.17 v125.06,53.17